# KiCad board poly_kb_molecule_16x5.kicad_pcb (continued)
## Routing (per net, layer and track width the routed paths; a pad name or vN(x,y) marks a point on that pad's centre or on a via; arc(x,y) is an arc through that point) (continued)
  Bottom w1.5: J6#64.8 J5#15.8 ; J6#71.8 J5#33.8 ; J6#43.8 J5#7.8 ; J6#7.8 J5#35.8 ; J6#19.8 J5#43.8 ; J6#73.8 J5#30.8 ; J6#3.8 J5#69.8 ; J6#72.8 J5#62.8 ; J6#16.8 J5#2.8 ; J6#52.8 J5#58.8 ; J6#25.8 J5#48.8 ; J6#48.8 J5#31.8 ; J6#24.8 J5#63.8 ; J6#4.8 J5#51.8 ; J6#37.8 J5#79.8 ; J6#47.8 J5#37.8 ; J6#63.8 J5#71.8 ; J6#60.8 J5#52.8 ; J6#51.8 J5#50.8 ; J6.8 J5#65.8 ; J6#45.8 J5#36.8 ; J6#41.8 J5#75.8 ; J6#20.8 J5#8.8 ; J6#32.8 J5#19.8 ; J6#5.8 J5#60.8 ; J6#57.8 J5#6.8 ; J6#18.8 J5#74.8 ; J6#29.8 J5#41.8 ; J6#68.8 J5#76.8 ; J6#28.8 J5#10.8 ; J6#35.8 J5#61.8 ; J6#2.8 J5#24.8 ; J6#46.8 J5#39.8 ; J6#62.8 J5#68.8 ; J6#31.8 J5#22.8 ; J6#49.8 J5#78.8 ; J6#39.8 J5#49.8 ; J6#14.8 J5#42.8 ; J6#38.8 J5#45.8 ; J6#44.8 J5#56.8 ; J6#59.8 J5#21.8 ; J6#22.8 J5#47.8 ; J6#50.8 J5#54.8 ; J6#36.8 J5#17.8 ; J6#26.8 J5#46.8 ; J6#56.8 J5#9.8 ; J6#17.8 J5#70.8 ; J6#58.8 J5#55.8 ; J6#67.8 J5#16.8 ; J6#23.8 J5#29.8 ; J6#30.8 J5#59.8 ; J6#75.8 J5#38.8 ; J6#54.8 J5#20.8 ; J6#70.8 J5#27.8 ; J6#61.8 J5#14.8 ; J6#53.8 J5#12.8 ; J6#42.8 J5#64.8 ; J6#33.8 J5#18.8 ; J6#74.8 J5#77.8 ; J6#13.8 J5#44.8 ; J6#55.8 J5#11.8 ; J6#10.8 J5#66.8 ; J6#66.8 J5#28.8 ; J6#40.8 J5#73.8 ; J6#65.8 J5#32.8 ; J6#11.8 J5#26.8 ; J6#12.8 J5#80.8 ; J6#69.8 J5#13.8 ; J6#6.8 J5#3.8 ; J6#27.8 J5#23.8
CS8: length 1453.5
  Bottom w0.254: 265.43,77.72 265.16,77.99 262.11,77.99 261.44,77.32 252.91,77.32 252.24,77.99 250.18,77.99 250.18,77.58 249.81,77.22 249.43,77.22 248.92,77.72 ; 20.32,77.72 20.83,77.22 21.21,77.22 21.58,77.58 21.58,77.99 23.64,77.99 24.31,77.32 32.84,77.32 33.51,77.99 36.56,77.99 36.83,77.72 ; 208.28,20.57 208.01,20.84 204.96,20.84 204.29,20.17 195.76,20.17 195.09,20.84 193.03,20.84 193.03,20.43 192.66,20.07 192.28,20.07 191.77,20.57 ; 74.93,39.62 74.66,39.89 71.61,39.89 70.94,39.22 62.41,39.22 61.74,39.89 59.68,39.89 59.68,39.48 59.31,39.12 58.93,39.12 58.42,39.62 ; 153.67,39.62 154.18,39.12 154.56,39.12 154.93,39.48 154.93,39.89 156.99,39.89 157.66,39.22 166.19,39.22 166.86,39.89 169.91,39.89 170.18,39.62 ; 227.33,20.57 227.06,20.84 224.01,20.84 223.34,20.17 214.81,20.17 214.14,20.84 212.08,20.84 212.08,20.43 211.71,20.07 211.33,20.07 210.82,20.57 ; 17.78,58.67 17.51,58.94 14.46,58.94 13.79,58.27 5.26,58.27 4.59,58.94 2.53,58.94 2.53,58.53 2.16,58.17 1.78,58.17 1.27,58.67 ; 96.52,77.72 97.03,77.22 97.41,77.22 97.78,77.58 97.78,77.99 99.84,77.99 100.51,77.32 109.04,77.32 109.71,77.99 112.76,77.99 113.03,77.72 ; 58.42,77.72 58.93,77.22 59.31,77.22 59.68,77.58 59.68,77.99 61.74,77.99 62.41,77.32 70.94,77.32 71.61,77.99 74.66,77.99 74.93,77.72 ; 55.88,77.72 55.61,77.99 52.56,77.99 51.89,77.32 43.36,77.32 42.69,77.99 40.63,77.99 40.63,77.58 40.26,77.22 39.88,77.22 39.37,77.72 ; 1.27,77.72 1.78,77.22 2.16,77.22 2.53,77.58 2.53,77.99 4.59,77.99 5.26,77.32 13.79,77.32 14.46,77.99 17.51,77.99 17.78,77.72 ; 208.28,39.62 208.01,39.89 204.96,39.89 204.29,39.22 195.76,39.22 195.09,39.89 193.03,39.89 193.03,39.48 192.66,39.12 192.28,39.12 191.77,39.62 ; 20.32,39.62 20.83,39.12 21.21,39.12 21.58,39.48 21.58,39.89 23.64,39.89 24.31,39.22 32.84,39.22 33.51,39.89 36.56,39.89 36.83,39.62 ; 74.93,1.53 74.66,1.79 71.61,1.79 70.94,1.12 62.41,1.12 61.74,1.79 59.68,1.79 59.68,1.38 59.31,1.02 58.93,1.02 58.42,1.53 ; 246.38,58.67 246.11,58.94 243.06,58.94 242.39,58.27 233.86,58.27 233.19,58.94 231.13,58.94 231.13,58.53 230.76,58.17 230.38,58.17 229.87,58.67 ; 170.18,77.72 169.91,77.99 166.86,77.99 166.19,77.32 157.66,77.32 156.99,77.99 154.93,77.99 154.93,77.58 154.56,77.22 154.18,77.22 153.67,77.72 ; 1.27,20.57 1.78,20.07 2.16,20.07 2.53,20.43 2.53,20.84 4.59,20.84 5.26,20.17 13.79,20.17 14.46,20.84 17.51,20.84 17.78,20.57 ; 284.48,20.57 284.21,20.84 281.16,20.84 280.49,20.17 271.96,20.17 271.29,20.84 269.23,20.84 269.23,20.43 268.86,20.07 268.48,20.07 267.97,20.57 ; 287.02,77.72 287.53,77.22 287.91,77.22 288.28,77.58 288.28,77.99 290.34,77.99 291.01,77.32 299.54,77.32 300.21,77.99 303.26,77.99 303.53,77.72 ; 229.87,1.53 230.38,1.02 230.76,1.02 231.13,1.38 231.13,1.79 233.19,1.79 233.86,1.12 242.39,1.12 243.06,1.79 246.11,1.79 246.38,1.53 ; 20.32,58.67 20.83,58.17 21.21,58.17 21.58,58.53 21.58,58.94 23.64,58.94 24.31,58.27 32.84,58.27 33.51,58.94 36.56,58.94 36.83,58.67 ; 191.77,1.53 192.28,1.02 192.66,1.02 193.03,1.38 193.03,1.79 195.09,1.79 195.76,1.12 204.29,1.12 204.96,1.79 208.01,1.79 208.28,1.53 ; 284.48,39.62 284.21,39.89 281.16,39.89 280.49,39.22 271.96,39.22 271.29,39.89 269.23,39.89 269.23,39.48 268.86,39.12 268.48,39.12 267.97,39.62 ; 303.53,1.53 303.26,1.79 300.21,1.79 299.54,1.12 291.01,1.12 290.34,1.79 288.28,1.79 288.28,1.38 287.91,1.02 287.53,1.02 287.02,1.53 ; 227.33,77.72 227.06,77.99 224.01,77.99 223.34,77.32 214.81,77.32 214.14,77.99 212.08,77.99 212.08,77.58 211.71,77.22 211.33,77.22 210.82,77.72 ; 265.43,39.62 265.16,39.89 262.11,39.89 261.44,39.22 252.91,39.22 252.24,39.89 250.18,39.89 250.18,39.48 249.81,39.12 249.43,39.12 248.92,39.62 ; 58.42,20.57 58.93,20.07 59.31,20.07 59.68,20.43 59.68,20.84 61.74,20.84 62.41,20.17 70.94,20.17 71.61,20.84 74.66,20.84 74.93,20.57 ; 172.72,1.53 173.23,1.02 173.61,1.02 173.98,1.38 173.98,1.79 176.04,1.79 176.71,1.12 185.24,1.12 185.91,1.79 188.96,1.79 189.23,1.53 ; 115.57,20.57 116.08,20.07 116.46,20.07 116.83,20.43 116.83,20.84 118.89,20.84 119.56,20.17 128.09,20.17 128.76,20.84 131.81,20.84 132.08,20.57 ; 77.47,20.57 77.98,20.07 78.36,20.07 78.73,20.43 78.73,20.84 80.79,20.84 81.46,20.17 89.99,20.17 90.66,20.84 93.71,20.84 93.98,20.57 ; 189.23,58.67 188.96,58.94 185.91,58.94 185.24,58.27 176.71,58.27 176.04,58.94 173.98,58.94 173.98,58.53 173.61,58.17 173.23,58.17 172.72,58.67 ; 55.88,20.57 55.61,20.84 52.56,20.84 51.89,20.17 43.36,20.17 42.69,20.84 40.63,20.84 40.63,20.43 40.26,20.07 39.88,20.07 39.37,20.57 ; 74.93,58.67 74.66,58.94 71.61,58.94 70.94,58.27 62.41,58.27 61.74,58.94 59.68,58.94 59.68,58.53 59.31,58.17 58.93,58.17 58.42,58.67 ; 248.92,20.57 249.43,20.07 249.81,20.07 250.18,20.43 250.18,20.84 252.24,20.84 252.91,20.17 261.44,20.17 262.11,20.84 265.16,20.84 265.43,20.57 ; 189.23,77.72 188.96,77.99 185.91,77.99 185.24,77.32 176.71,77.32 176.04,77.99 173.98,77.99 173.98,77.58 173.61,77.22 173.23,77.22 172.72,77.72 ; 115.57,58.67 116.08,58.17 116.46,58.17 116.83,58.53 116.83,58.94 118.89,58.94 119.56,58.27 128.09,58.27 128.76,58.94 131.81,58.94 132.08,58.67 ; 96.52,1.53 97.03,1.02 97.41,1.02 97.78,1.38 97.78,1.79 99.84,1.79 100.51,1.12 109.04,1.12 109.71,1.79 112.76,1.79 113.03,1.53 ; 17.78,1.53 17.51,1.79 14.46,1.79 13.79,1.12 5.26,1.12 4.59,1.79 2.53,1.79 2.53,1.38 2.16,1.02 1.78,1.02 1.27,1.53 ; 246.38,20.57 246.11,20.84 243.06,20.84 242.39,20.17 233.86,20.17 233.19,20.84 231.13,20.84 231.13,20.43 230.76,20.07 230.38,20.07 229.87,20.57 ; 153.67,1.53 154.18,1.02 154.56,1.02 154.93,1.38 154.93,1.79 156.99,1.79 157.66,1.12 166.19,1.12 166.86,1.79 169.91,1.79 170.18,1.53 ; 113.03,58.67 112.76,58.94 109.71,58.94 109.04,58.27 100.51,58.27 99.84,58.94 97.78,58.94 97.78,58.53 97.41,58.17 97.03,58.17 96.52,58.67 ; 153.67,20.57 154.18,20.07 154.56,20.07 154.93,20.43 154.93,20.84 156.99,20.84 157.66,20.17 166.19,20.17 166.86,20.84 169.91,20.84 170.18,20.57 ; 93.98,1.53 93.71,1.79 90.66,1.79 89.99,1.12 81.46,1.12 80.79,1.79 78.73,1.79 78.73,1.38 78.36,1.02 77.98,1.02 77.47,1.53 ; 229.87,77.72 230.38,77.22 230.76,77.22 231.13,77.58 231.13,77.99 233.19,77.99 233.86,77.32 242.39,77.32 243.06,77.99 246.11,77.99 246.38,77.72 ; 36.83,1.53 36.56,1.79 33.51,1.79 32.84,1.12 24.31,1.12 23.64,1.79 21.58,1.79 21.58,1.38 21.21,1.02 20.83,1.02 20.32,1.53 ; 210.82,39.62 211.33,39.12 211.71,39.12 212.08,39.48 212.08,39.89 214.14,39.89 214.81,39.22 223.34,39.22 224.01,39.89 227.06,39.89 227.33,39.62 ; 191.77,58.67 192.28,58.17 192.66,58.17 193.03,58.53 193.03,58.94 195.09,58.94 195.76,58.27 204.29,58.27 204.96,58.94 208.01,58.94 208.28,58.67 ; 113.03,39.62 112.76,39.89 109.71,39.89 109.04,39.22 100.51,39.22 99.84,39.89 97.78,39.89 97.78,39.48 97.41,39.12 97.03,39.12 96.52,39.62 ; 77.47,58.67 77.98,58.17 78.36,58.17 78.73,58.53 78.73,58.94 80.79,58.94 81.46,58.27 89.99,58.27 90.66,58.94 93.71,58.94 93.98,58.67 ; 191.77,77.72 192.28,77.22 192.66,77.22 193.03,77.58 193.03,77.99 195.09,77.99 195.76,77.32 204.29,77.32 204.96,77.99 208.01,77.99 208.28,77.72 ; 132.08,1.53 131.81,1.79 128.76,1.79 128.09,1.12 119.56,1.12 118.89,1.79 116.83,1.79 116.83,1.38 116.46,1.02 116.08,1.02 115.57,1.53 ; 93.98,77.72 93.71,77.99 90.66,77.99 89.99,77.32 81.46,77.32 80.79,77.99 78.73,77.99 78.73,77.58 78.36,77.22 77.98,77.22 77.47,77.72 ; 153.67,58.67 154.18,58.17 154.56,58.17 154.93,58.53 154.93,58.94 156.99,58.94 157.66,58.27 166.19,58.27 166.86,58.94 169.91,58.94 170.18,58.67 ; 17.78,39.62 17.51,39.89 14.46,39.89 13.79,39.22 5.26,39.22 4.59,39.89 2.53,39.89 2.53,39.48 2.16,39.12 1.78,39.12 1.27,39.62 ; 39.37,1.53 39.88,1.02 40.26,1.02 40.63,1.38 40.63,1.79 42.69,1.79 43.36,1.12 51.89,1.12 52.56,1.79 55.61,1.79 55.88,1.53 ; 36.83,20.57 36.56,20.84 33.51,20.84 32.84,20.17 24.31,20.17 23.64,20.84 21.58,20.84 21.58,20.43 21.21,20.07 20.83,20.07 20.32,20.57 ; 172.72,20.57 173.23,20.07 173.61,20.07 173.98,20.43 173.98,20.84 176.04,20.84 176.71,20.17 185.24,20.17 185.91,20.84 188.96,20.84 189.23,20.57 ; 267.97,58.67 268.48,58.17 268.86,58.17 269.23,58.53 269.23,58.94 271.29,58.94 271.96,58.27 280.49,58.27 281.16,58.94 284.21,58.94 284.48,58.67 ; 303.53,20.57 303.26,20.84 300.21,20.84 299.54,20.17 291.01,20.17 290.34,20.84 288.28,20.84 288.28,20.43 287.91,20.07 287.53,20.07 287.02,20.57 ; 267.97,77.72 268.48,77.22 268.86,77.22 269.23,77.58 269.23,77.99 271.29,77.99 271.96,77.32 280.49,77.32 281.16,77.99 284.21,77.99 284.48,77.72 ; 265.43,1.53 265.16,1.79 262.11,1.79 261.44,1.12 252.91,1.12 252.24,1.79 250.18,1.79 250.18,1.38 249.81,1.02 249.43,1.02 248.92,1.53 ; 267.97,1.53 268.48,1.02 268.86,1.02 269.23,1.38 269.23,1.79 271.29,1.79 271.96,1.12 280.49,1.12 281.16,1.79 284.21,1.79 284.48,1.53 ; 96.52,20.57 97.03,20.07 97.41,20.07 97.78,20.43 97.78,20.84 99.84,20.84 100.51,20.17 109.04,20.17 109.71,20.84 112.76,20.84 113.03,20.57 ; 287.02,58.67 287.53,58.17 287.91,58.17 288.28,58.53 288.28,58.94 290.34,58.94 291.01,58.27 299.54,58.27 300.21,58.94 303.26,58.94 303.53,58.67 ; 55.88,58.67 55.61,58.94 52.56,58.94 51.89,58.27 43.36,58.27 42.69,58.94 40.63,58.94 40.63,58.53 40.26,58.17 39.88,58.17 39.37,58.67 ; 189.23,39.62 188.96,39.89 185.91,39.89 185.24,39.22 176.71,39.22 176.04,39.89 173.98,39.89 173.98,39.48 173.61,39.12 173.23,39.12 172.72,39.62 ; 39.37,39.62 39.88,39.12 40.26,39.12 40.63,39.48 40.63,39.89 42.69,39.89 43.36,39.22 51.89,39.22 52.56,39.89 55.61,39.89 55.88,39.62 ; 248.92,58.67 249.43,58.17 249.81,58.17 250.18,58.53 250.18,58.94 252.24,58.94 252.91,58.27 261.44,58.27 262.11,58.94 265.16,58.94 265.43,58.67 ; 115.57,77.72 116.08,77.22 116.46,77.22 116.83,77.58 116.83,77.99 118.89,77.99 119.56,77.32 128.09,77.32 128.76,77.99 131.81,77.99 132.08,77.72 ; 210.82,1.53 211.33,1.02 211.71,1.02 212.08,1.38 212.08,1.79 214.14,1.79 214.81,1.12 223.34,1.12 224.01,1.79 227.06,1.79 227.33,1.53 ; 229.87,39.62 230.38,39.12 230.76,39.12 231.13,39.48 231.13,39.89 233.19,39.89 233.86,39.22 242.39,39.22 243.06,39.89 246.11,39.89 246.38,39.62 ; 93.98,39.62 93.71,39.89 90.66,39.89 89.99,39.22 81.46,39.22 80.79,39.89 78.73,39.89 78.73,39.48 78.36,39.12 77.98,39.12 77.47,39.62 ; 115.57,39.62 116.08,39.12 116.46,39.12 116.83,39.48 116.83,39.89 118.89,39.89 119.56,39.22 128.09,39.22 128.76,39.89 131.81,39.89 132.08,39.62 ; 287.02,39.62 287.53,39.12 287.91,39.12 288.28,39.48 288.28,39.89 290.34,39.89 291.01,39.22 299.54,39.22 300.21,39.89 303.26,39.89 303.53,39.62 ; 227.33,58.67 227.06,58.94 224.01,58.94 223.34,58.27 214.81,58.27 214.14,58.94 212.08,58.94 212.08,58.53 211.71,58.17 211.33,58.17 210.82,58.67
  Bottom w1.5: J5#51.9 J6#4.9 ; J6#70.9 J5#27.9 ; J6#39.9 J5#49.9 ; J5#77.9 J6#74.9 ; J5#47.9 J6#22.9 ; J6#31.9 J5#22.9 ; J5#64.9 J6#42.9 ; J5#24.9 J6#2.9 ; J6#50.9 J5#54.9 ; J6#23.9 J5#29.9 ; J6#13.9 J5#44.9 ; J6#25.9 J5#48.9 ; J6#24.9 J5#63.9 ; J5#66.9 J6#10.9 ; J6#45.9 J5#36.9 ; J6#57.9 J5#6.9 ; J6#54.9 J5#20.9 ; J5#39.9 J6#46.9 ; J6#52.9 J5#58.9 ; J6#40.9 J5#73.9 ; J6#73.9 J5#30.9 ; J6#17.9 J5#70.9 ; J6#56.9 J5#9.9 ; J5#71.9 J6#63.9 ; J6#51.9 J5#50.9 ; J6#71.9 J5#33.9 ; J6#67.9 J5#16.9 ; J6#26.9 J5#46.9 ; J6#19.9 J5#43.9 ; J6#27.9 J5#23.9 ; J6#30.9 J5#59.9 ; J6#7.9 J5#35.9 ; J6#65.9 J5#32.9 ; J6#61.9 J5#14.9 ; J5#37.9 J6#47.9 ; J5#68.9 J6#62.9 ; J5#31.9 J6#48.9 ; J6#37.9 J5#79.9 ; J6#75.9 J5#38.9 ; J5#18.9 J6#33.9 ; J6#66.9 J5#28.9 ; J6#5.9 J5#60.9 ; J6#58.9 J5#55.9 ; J6#59.9 J5#21.9 ; J6#44.9 J5#56.9 ; J6#60.9 J5#52.9 ; J6#16.9 J5#2.9 ; J6#28.9 J5#10.9 ; J6#55.9 J5#11.9 ; J5#13.9 J6#69.9 ; J6#14.9 J5#42.9 ; J6#29.9 J5#41.9 ; J6.9 J5#65.9 ; J5#45.9 J6#38.9 ; J6#68.9 J5#76.9 ; J5#15.9 J6#64.9 ; J6#41.9 J5#75.9 ; J6#20.9 J5#8.9 ; J5#69.9 J6#3.9 ; J6#43.9 J5#7.9 ; J6#35.9 J5#61.9 ; J5#26.9 J6#11.9 ; J5#80.9 J6#12.9 ; J6#32.9 J5#19.9 ; J6#18.9 J5#74.9 ; J5#62.9 J6#72.9 ; J6#53.9 J5#12.9 ; J5#3.9 J6#6.9 ; J6#49.9 J5#78.9 ; J6#36.9 J5#17.9
Net-(C1-Pad1): length 484.1
  Bottom w0.254: C1#60.1 165.78,48.54 166.29,49.06 166.29,50.4 166.42,50.53 166.42,52.91 165.99,53.34 J1#27.16 ; C1#63.1 108.62,67.59 109.14,68.11 109.14,69.45 109.27,69.58 109.27,71.96 108.84,72.39 J1#33.16 ; J1#31.16 204.09,91.44 204.52,91.01 204.52,88.63 204.39,88.5 204.39,87.16 203.88,86.64 C1#44.1 ; J1#26.16 204.09,34.29 204.52,33.86 204.52,31.48 204.39,31.35 204.39,30.01 203.88,29.49 C1#47.1 ; J1#38.16 89.79,53.34 90.22,52.91 90.22,50.53 90.09,50.4 90.09,49.06 89.58,48.54 C1#45.1 ; C1#37.1 32.42,29.49 32.94,30.01 32.94,31.35 33.07,31.48 33.07,33.86 32.64,34.29 J1#3.16 ; J1#46.16 261.24,15.24 261.67,14.81 261.67,12.43 261.54,12.3 261.54,10.96 261.02,10.44 C1#50.1 ; J1#36.16 127.89,53.34 128.32,52.91 128.32,50.53 128.19,50.4 128.19,49.06 127.68,48.54 C1#33.1 ; C1#54.1 70.53,86.64 71.04,87.16 71.04,88.5 71.17,88.63 71.17,91.01 70.74,91.44 J1#35.16 ; C1#12.1 146.72,86.64 147.24,87.16 147.24,88.5 147.37,88.63 147.37,91.01 146.94,91.44 J1#63.16 ; C1#28.1 32.42,67.59 32.94,68.11 32.94,69.45 33.07,69.58 33.07,71.96 32.64,72.39 J1#58.16 ; C1#66.1 13.38,48.54 13.89,49.06 13.89,50.4 14.02,50.53 14.02,52.91 13.59,53.34 J1#12.16 ; C1#55.1 13.38,29.49 13.89,30.01 13.89,31.35 14.02,31.48 14.02,33.86 13.59,34.29 J1#7.16 ; C1#71.1 203.88,10.44 204.39,10.96 204.39,12.3 204.52,12.43 204.52,14.81 204.09,15.24 J1#10.16 ; J1#50.16 223.14,34.29 223.57,33.86 223.57,31.48 223.44,31.35 223.44,30.01 222.93,29.49 C1#20.1 ; J1#32.16 261.24,34.29 261.67,33.86 261.67,31.48 261.54,31.35 261.54,30.01 261.02,29.49 C1#73.1 ; J1#39.16 242.19,72.39 242.62,71.96 242.62,69.58 242.49,69.45 242.49,68.11 241.98,67.59 C1#14.1 ; J1#69.16 51.69,34.29 52.12,33.86 52.12,31.48 51.99,31.35 51.99,30.01 51.47,29.49 C1#21.1 ; C1#70.1 241.98,86.64 242.49,87.16 242.49,88.5 242.62,88.63 242.62,91.01 242.19,91.44 J1#61.16 ; C1#59.1 299.12,10.44 299.64,10.96 299.64,12.3 299.77,12.43 299.77,14.81 299.34,15.24 J1#44.16 ; J1#43.16 32.64,53.34 33.07,52.91 33.07,50.53 32.94,50.4 32.94,49.06 32.42,48.54 C1#43.1 ; J1#76.16 108.84,91.44 109.27,91.01 109.27,88.63 109.14,88.5 109.14,87.16 108.62,86.64 C1#53.1 ; J1#18.16 185.04,91.44 185.47,91.01 185.47,88.63 185.34,88.5 185.34,87.16 184.82,86.64 C1#4.1 ; J1#70.16 70.74,53.34 71.17,52.91 71.17,50.53 71.04,50.4 71.04,49.06 70.53,48.54 C1#38.1 ; C1.1 13.38,86.64 13.89,87.16 13.89,88.5 14.02,88.63 14.02,91.01 13.59,91.44 J1.16 ; C1#40.1 108.62,29.49 109.14,30.01 109.14,31.35 109.27,31.48 109.27,33.86 108.84,34.29 J1#80.16 ; C1#7.1 127.68,86.64 128.19,87.16 128.19,88.5 128.32,88.63 128.32,91.01 127.89,91.44 J1#53.16 ; J1#55.16 51.69,15.24 52.12,14.81 52.12,12.43 51.99,12.3 51.99,10.96 51.47,10.44 C1#46.1 ; C1#30.1 70.53,10.44 71.04,10.96 71.04,12.3 71.17,12.43 71.17,14.81 70.74,15.24 J1#57.16 ; C1#78.1 222.93,67.59 223.44,68.11 223.44,69.45 223.57,69.58 223.57,71.96 223.14,72.39 J1#72.16 ; J1#34.16 280.29,72.39 280.72,71.96 280.72,69.58 280.59,69.45 280.59,68.11 280.07,67.59 C1#58.1 ; C1#2.1 299.12,86.64 299.64,87.16 299.64,88.5 299.77,88.63 299.77,91.01 299.34,91.44 J1#79.16 ; J1#40.16 223.14,53.34 223.57,52.91 223.57,50.53 223.44,50.4 223.44,49.06 222.93,48.54 C1#23.1 ; C1#29.1 222.93,10.44 223.44,10.96 223.44,12.3 223.57,12.43 223.57,14.81 223.14,15.24 J1#21.16 ; J1#8.16 108.84,53.34 109.27,52.91 109.27,50.53 109.14,50.4 109.14,49.06 108.62,48.54 C1#25.1 ; J1#78.16 280.29,53.34 280.72,52.91 280.72,50.53 280.59,50.4 280.59,49.06 280.07,48.54 C1#11.1 ; J1#68.16 165.99,15.24 166.42,14.81 166.42,12.43 166.29,12.3 166.29,10.96 165.78,10.44 C1#17.1 ; C1#65.1 184.82,67.59 185.34,68.11 185.34,69.45 185.47,69.58 185.47,71.96 185.04,72.39 J1#62.16 ; C1#41.1 127.68,10.44 128.19,10.96 128.19,12.3 128.32,12.43 128.32,14.81 127.89,15.24 J1#11.16 ; J1#52.16 299.34,72.39 299.77,71.96 299.77,69.58 299.64,69.45 299.64,68.11 299.12,67.59 C1#10.1 ; J1#28.16 146.94,72.39 147.37,71.96 147.37,69.58 147.24,69.45 147.24,68.11 146.72,67.59 C1#8.1 ; J1#73.16 242.19,15.24 242.62,14.81 242.62,12.43 242.49,12.3 242.49,10.96 241.98,10.44 C1#22.1 ; C1#75.1 203.88,48.54 204.39,49.06 204.39,50.4 204.52,50.53 204.52,52.91 204.09,53.34 J1#64.16 ; J1#2.16 280.29,34.29 280.72,33.86 280.72,31.48 280.59,31.35 280.59,30.01 280.07,29.49 C1#15.1 ; J1#60.16 242.19,34.29 242.62,33.86 242.62,31.48 242.49,31.35 242.49,30.01 241.98,29.49 C1#5.1 ; C1#39.1 89.58,86.64 90.09,87.16 90.09,88.5 90.22,88.63 90.22,91.01 89.79,91.44 J1#22.16 ; J1#41.16 13.59,15.24 14.02,14.81 14.02,12.43 13.89,12.3 13.89,10.96 13.38,10.44 C1#79.1 ; C1#67.1 241.98,48.54 242.49,49.06 242.49,50.4 242.62,50.53 242.62,52.91 242.19,53.34 J1#48.16 ; C1#64.1 108.62,10.44 109.14,10.96 109.14,12.3 109.27,12.43 109.27,14.81 108.84,15.24 J1#59.16 ; C1#3.1 127.68,29.49 128.19,30.01 128.19,31.35 128.32,31.48 128.32,33.86 127.89,34.29 J1#6.16 ; C1#48.1 32.42,86.64 32.94,87.16 32.94,88.5 33.07,88.63 33.07,91.01 32.64,91.44 J1#47.16 ; C1#74.1 261.02,48.54 261.54,49.06 261.54,50.4 261.67,50.53 261.67,52.91 261.24,53.34 J1#66.16 ; J1#19.16 185.04,34.29 185.47,33.86 185.47,31.48 185.34,31.35 185.34,30.01 184.82,29.49 C1#51.1 ; J1#67.16 185.04,53.34 185.47,52.91 185.47,50.53 185.34,50.4 185.34,49.06 184.82,48.54 C1#77.1 ; C1#72.1 261.02,67.59 261.54,68.11 261.54,69.45 261.67,69.58 261.67,71.96 261.24,72.39 J1#9.16 ; J1#24.16 280.29,15.24 280.72,14.81 280.72,12.43 280.59,12.3 280.59,10.96 280.07,10.44 C1#31.1 ; C1#16.1 89.58,10.44 90.09,10.96 90.09,12.3 90.22,12.43 90.22,14.81 89.79,15.24 J1#51.16 ; J1#30.16 165.99,72.39 166.42,71.96 166.42,69.58 166.29,69.45 166.29,68.11 165.78,67.59 C1#69.1 ; C1#42.1 127.68,67.59 128.19,68.11 128.19,69.45 128.32,69.58 128.32,71.96 127.89,72.39 J1#37.16 ; C1#76.1 32.42,10.44 32.94,10.96 32.94,12.3 33.07,12.43 33.07,14.81 32.64,15.24 J1#20.16 ; J1#25.16 165.99,91.44 166.42,91.01 166.42,88.63 166.29,88.5 166.29,87.16 165.78,86.64 C1#13.1 ; J1#4.16 70.74,34.29 71.17,33.86 71.17,31.48 71.04,31.35 71.04,30.01 70.53,29.49 C1#32.1 ; J1#49.16 299.34,34.29 299.77,33.86 299.77,31.48 299.64,31.35 299.64,30.01 299.12,29.49 C1#35.1 ; C1#80.1 51.47,86.64 51.99,87.16 51.99,88.5 52.12,88.63 52.12,91.01 51.69,91.44 J1#13.16 ; J1#74.16 89.79,34.29 90.22,33.86 90.22,31.48 90.09,31.35 90.09,30.01 89.58,29.49 C1#18.1 ; C1#6.1 165.78,29.49 166.29,30.01 166.29,31.35 166.42,31.48 166.42,33.86 165.99,34.29 J1#16.16 ; J1#23.16 146.94,15.24 147.37,14.81 147.37,12.43 147.24,12.3 147.24,10.96 146.72,10.44 C1#57.1 ; J1#45.16 299.34,53.34 299.77,52.91 299.77,50.53 299.64,50.4 299.64,49.06 299.12,48.54 C1#9.1 ; C1#27.1 203.88,67.59 204.39,68.11 204.39,69.45 204.52,69.58 204.52,71.96 204.09,72.39 J1#14.16 ; C1#36.1 13.38,67.59 13.89,68.11 13.89,69.45 14.02,69.58 14.02,71.96 13.59,72.39 J1#77.16 ; C1#56.1 261.02,86.64 261.54,87.16 261.54,88.5 261.67,88.63 261.67,91.01 261.24,91.44 J1#54.16 ; C1#68.1 51.47,67.59 51.99,68.11 51.99,69.45 52.12,69.58 52.12,71.96 51.69,72.39 J1#5.16 ; J1#56.16 146.94,34.29 147.37,33.86 147.37,31.48 147.24,31.35 147.24,30.01 146.72,29.49 C1#26.1 ; J1#75.16 223.14,91.44 223.57,91.01 223.57,88.63 223.44,88.5 223.44,87.16 222.93,86.64 C1#19.1 ; C1#52.1 51.47,48.54 51.99,49.06 51.99,50.4 52.12,50.53 52.12,52.91 51.69,53.34 J1#17.16 ; J1#15.16 146.94,53.34 147.37,52.91 147.37,50.53 147.24,50.4 147.24,49.06 146.72,48.54 C1#24.1 ; C1#62.1 280.07,86.64 280.59,87.16 280.59,88.5 280.72,88.63 280.72,91.01 280.29,91.44 J1#29.16 ; C1#34.1 184.82,10.44 185.34,10.96 185.34,12.3 185.47,12.43 185.47,14.81 185.04,15.24 J1#42.16 ; C1#61.1 89.58,67.59 90.09,68.11 90.09,69.45 90.22,69.58 90.22,71.96 89.79,72.39 J1#71.16 ; J1#65.16 70.74,72.39 71.17,71.96 71.17,69.58 71.04,69.45 71.04,68.11 70.53,67.59 C1#49.1
